# Altium PCB QCopterRC__Pcb.PcbDoc (part 2 of 3)
Units mil, origin at the board's own origin, x right, y up, seen from the top; angles counter-clockwise.
Board outline 6102.36 x 2362.2 mil, 2 copper layers (Top Layer, Bottom Layer); 121 components, 126 nets, 538 pads, 183 vias.
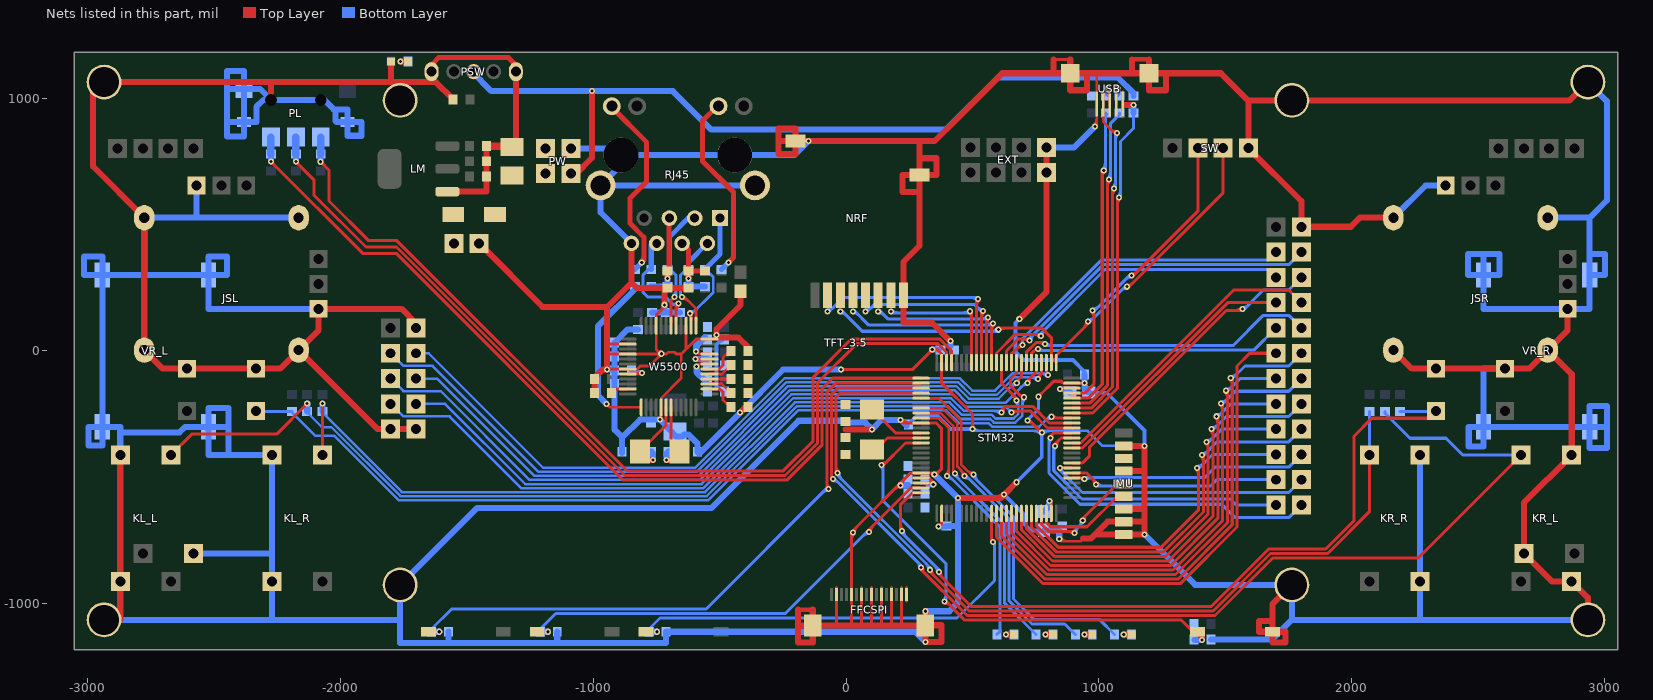
[diagram p2: the nets of this part, all layers, seen from the top]

## Via types
v1: diameter 24, hole 12, Top Layer to Bottom Layer, 183 vias

## Nets (pads, with @x,y where several pads share a name; then routed paths per layer and width w, separated by ;. In a path a pad name is that pad's centre, name@x,y a point inside that pad or via, vN(x,y) a via of type N, cw(c..) or ccw(c..) an arc to the next point about the centre after c; other vN are vias at no path point) (continued)
GND: C1.2 C2.1 C3.1 C4.2 C5.1 C6.2 C7.2 C8.2 C9.2 C10.2 C11.1 C12.1 C13.1 C14.1 C15.1 C16.1 C17.1 C18.1 C19.2 C20.1 C21.1 C22.1 C23.1 C24.1 C25.1 C26.1 C27.1 C28.2 C29.2 C30.2 C31.1 C32.1 C33.1 D2.2 EXT.7 EXT.8 FFCSPI.0 FFCSPI.2 FFCSPI.5 FFCSPI.7 FFCSPI.9 FFCSPI.11 FFCSPI.13 FFCSPI.15 IMU.2 IMU.4 JSL.0 JSL.1 JSL.6 JSL.8 JSL.10 JSR.0 JSR.1 JSR.6 JSR.8 JSR.10 KL_L.2 KL_L.4 KL_R.2 KL_R.4 KR_L.1 KR_L.3 KR_R.1 KR_R.3 LM.1 NRF.8 PL.0 PL.4 Power.2 PSW.0 PW.2 PW.4 R3.2 R18.2 R19.2 R20.2 R26.2 R27.1 R28.1 R30.1 R31.2 R32.1 R33.1 R35.2 R43.2 R46.2 RJ45.0 RJ45.8 RJ45.13 RJ45.14 RST.2 SC1.0 SC2.0 SC3.0 SC4.0 STM32.10 STM32.20 STM32.27 STM32.74 STM32.99 SW.4 TFT_3.5.2 TFT_3.5.26 TFT_3.5.33 TFT_3.5.34 USB. USB.5 VR_L.0 VR_L.5 VR_R.0 VR_R.6 W5500.3 W5500.9 W5500.14 W5500.16 W5500.19 W5500.29 W5500.48 | length 55898.8
  Top Layer w10: v1@840.88,-746.12 ccw(c855.07,-731.93) 855.07,-752 ; v1(843,-744) 851,-752 928,-752 938,-742 ; v1@847.95,-739.05 ccw(c879.21,-707.79) 879.21,-752 ; v1@979.05,891.95 ccw(c950.64,920.36) 990.82,920.36 ; v1@990.82,887 USB.5@990.82,976 990.82,1097.84
  Top Layer w11: -944.73,-12.2 W5500.16@-862.68,-12.2 v1@-729.06,-12.2 ; -944.73,27.17 W5500.14@-862.68,27.17 ; v1@-943.57,-71.26 W5500.19@-862.68,-71.26 -826.11,-71.26 ; v1@-940.14,-77.01 cw(c-926.25,-90.9) -926.25,-71.26 ; v1@-940.14,-67.82 ccw(c-931.83,-59.52) -931.83,-71.26 ; -825.11,-71.26 -813.27,-59.42 -776.27,-59.42 v1@-729.06,-12.2 ; W5500.9@-750.48,96.42 -750.48,5.64 v1@-729.06,-15.79 ; W5500.9@-750.48,100 -750.48,141.37 v1@-714.27,177.58 ; -748.89,-12.2 ccw(c-748.89,7.63) v1@-734.86,-6.4 ; -747.48,2.64 ccw(c-730.27,19.85) v1@-730.27,-4.49 ; -743.08,-26.23 ccw(c-758.31,-10.99) v1@-736.77,-10.99 ; -743.03,-12.2 cw(c-743.03,-23.76) v1@-734.86,-15.59 ; v1@-739.86,-266.82 ccw(c-761.76,-244.93) W5500.29@-730.8,-244.93 ; -735.73,156.12 ccw(c-762.19,182.58) v1@-724.77,182.58 ; v1@-730.8,-266.94 W5500.29@-730.8,-222.83 -730.8,-187.15 -651.27,-107.62 -651.27,-12.42 ; v1@-725.67,-15.59 cw(c-717.5,-23.76) -717.5,-12.2 ; v1@-725.67,-6.4 ccw(c-711.65,7.63) -711.65,-12.2 ; -632.37,6.48 W5500.3@-632.37,100 ; v1@-517.77,62.58 cw(c-533.46,62.58) -522.36,51.49 cw(c-511.27,40.39) v1@-511.27,56.08 ; v1(-511.27,62.58) -527,46.85 W5500.48@-539.85,46.85 -592,46.85 -651.27,-12.42 ; v1@-729.06,-12.2 -709.66,-12.2 -702.46,-5 -678.08,-5 -670.87,-12.2 -651.48,-12.2 -651.27,-12.42
  Top Layer w12: -36.95,-1085 -36.95,-935 ; v1(-20,-74) 262,-74 v1(341,5) 361.87,5 378.46,-11.59 STM32.99@378.46,-45.77 378.46,-127.46 500,-249 v1(500,-309) ; v1@-15.76,-78.24 cw(c-5.51,-88.49) -5.51,-74 cw(c-5.51,-59.51) v1@-15.76,-69.76 ; 22.1,-1085 22.1,-715.9 256.2,-481.8 STM32.20@296.77,-481.8 v1@348.8,-481.8 ; 22.1,-746.72 cw(c56.72,-746.72) v1@32.24,-722.24 ; v1@34,-718 cw(c67.8,-718) 43.9,-694.1 ; 61.47,-1085 61.47,-935 ; 100.84,-1085 100.84,-935 ; 140.21,-1085 140.21,-935 ; 179.58,-1085 179.58,-935 ; 191.1,-546.9 cw(c215,-570.8) v1@215,-537 ; v1@211.7,-277.19 ccw(c230.43,-258.46) 230.43,-284.94 ; v1@215.94,-278.94 cw(c215.94,-293.43) 226.19,-283.19 cw(c236.43,-272.94) v1@221.94,-272.94 ; v1(215.94,-272.94) 227.94,-284.94 STM32.10@296.77,-284.94 356.94,-284.94 377,-305 377,-467.84 v1@353,-491.84 ; 218.95,-1085 218.95,-935 ; v1@220.19,-268.7 ccw(c259.4,-229.49) 259.4,-284.94 ; v1@221,-531 cw(c254.8,-531) 230.9,-507.1 ; v1@335,5 cw(c320.51,5) 330.76,-5.24 cw(c341,-15.49) v1@341,-1 ; v1@345.24,0.76 cw(c355.49,-9.49) 355.49,5 cw(c355.49,19.49) v1@345.24,9.24 ; v1@349,-482 ccw(c349,-448.59) 372.62,-472.21 ; v1(366,-694) 378.46,-681.54 STM32.27@378.46,-642.23 ; v1@366,-688 ccw(c366,-673.51) 376.24,-683.76 ccw(c386.49,-694) v1@372,-694 ; v1@495.76,-304.76 ccw(c485.51,-294.51) 500,-294.51 ccw(c514.49,-294.51) v1@504.24,-304.76 ; v1@717,-281 cw(c717,-317.21) 742.61,-291.61 ; v1(717,-275) 726,-275 v1(774,-323) ; v1@761,-180 821.24,-119.76 851.34,-119.76 859.05,-127.46 STM32.74@893.23,-127.46 v1@943,-127.46 ; v1@761,-175 ccw(c761,-162.93) 769.54,-171.46 ; v1@767,-181 cw(c783.9,-181) 771.95,-169.05 ; v1@768,-323 ccw(c753.51,-323) 763.76,-312.76 ccw(c774,-302.51) v1@774,-317 ; 819.49,1153 886.49,1153 ; STM32.74@927.39,-127.46 ccw(c927.39,-111.39) v1@938.76,-122.76 ; 929.64,-127.46 cw(c929.64,-140.36) v1@938.76,-131.24
  Top Layer w18: -190,-1022.83 -131.44,-1022.83 ; 1130.51,1153 1197.51,1153
  Top Layer w20: PSW.0@-1638.16,1131.84 -1610,1160 -1335,1160 PSW.0@-1305.32,1130.32
  Top Layer w24: SC3.0@-2933.07,-1062.99 -2869.06,-1062.99 KL_L.4@-2869.06,-911.56 KL_L.2@-2869.06,-411.56 ; PL.0@-2273.42,992.87 -2273.42,1062.99 ; -1798.46,1063.53 D2.2@-1798.46,1145 ; TFT_3.5.2@-1762.68,990.94 -1762.68,1062.99 ; TFT_3.5.34@-1700,-309.05 -1851.71,-309.05 JSL.0@-2163.94,3.19 ; TFT_3.5.26@-1700,90.95 -1700,110 -1756.57,166.57 JSL.1@-2085.2,166.57 -2085.2,81.93 JSL.0@-2163.94,3.19 ; PSW.0@-1638.16,1131.84 PSW.0@-1638.16,1104.13 -1638.16,1062.99 ; LM.1@-1575.83,629.84 -1421.54,629.84 C2.1@-1421.54,690 C1.2@-1421.54,810 C1.2@-1418.62,807.09 ; C5.1@-1553.46,995 -1621.46,1062.99 -1638.16,1062.99 ; Power.2@-1450,425 -1198.73,173.73 -944.73,173.73 ; C4.2@-1320,807.09 -1305.32,821.76 PSW.0@-1305.32,1104.13 PSW.0@-1305.32,1130.32 ; R46.2@-994.73,-166.42 C31.1@-994.73,-111.42 -994.73,-105.73 -961.42,-72.42 v1(-944.73,-72.42) ; -973.22,-84.22 cw(c-944.73,-112.7) v1(-944.73,-72.42) ; RJ45.8@-848.11,425.35 -848.11,270.35 ; v1(-718.27,182.58) C24.1@-718.27,247.58 ; C20.1@-640,249.54 C24.1@-705,249.54 -827.29,249.54 -848.11,270.35 ; v1@-512,53 -424.95,53 -387.8,15.85 R33.1@-387.8,-0.63 ; -488.13,53 cw(c-488.13,85.72) v1(-511.27,62.58) -511.27,86.73 -417,181 C19.2@-417,236.6 ; v1(-418.5,-243.5) R27.1@-391.72,-216.72 ; -267,830 NRF.8@-200,830 ; -190,-1022.83 -190,-1084.98 ; -131.44,-1022.83 FFCSPI.0@-131.44,-1084.98 ; -2,-310 v1(103,-310) ; 290,628 223,628 223,695 NRF.8@290,695 ; 290,762 357,762 357,695 NRF.8@290,695 ; FFCSPI.0@313.44,-1084.98 FFCSPI.0@-131.44,-1084.98 ; v1(314,-1029) FFCSPI.0@314,-1084.42 ; v1(413,39) 340,112 227.4,112 NRF.8@227.4,219.84 227.4,352.4 290,415 NRF.8@290,695 ; v1(442,-582) 611,-582 v1(625,-568) ; 591.2,-582 ccw(c591.2,-534.2) v1(625,-568) ; v1(674,-519) v1(625,-568) ; v1(685,126) 793,234 EXT.8@793,805 ; 819.49,1097.84 819.49,1153 ; 886.49,1153 USB.@886.49,1097.84 ; 938,-742 967,-742 1034,-675 IMU.2@1098,-675 1180,-675 ; 953.49,1097.84 953.49,1030.84 886.49,1030.84 USB.@886.49,1097.84 ; 984,-725 IMU.2@1098,-725 v1(1180,-725) v1(1180,-375) IMU.2@1098,-375 ; IMU.2@1098,-625 1180,-625 ; IMU.4@1098,-475 1180,-475 ; 1130.51,1097.84 1130.51,1153 ; 1197.51,1153 USB.@1197.51,1097.84 ; 1264.51,1097.84 1264.51,1030.84 1197.51,1030.84 USB.@1197.51,1097.84 ; 1685.64,-1067 1633,-1067 1633,-1110 RST.2@1685.64,-1110 ; TFT_3.5.2@1762.68,-924.94 1685.64,-1001.98 RST.2@1685.64,-1110 ; JSR.0@2163.94,3.19 2236.94,-69.8 JSR.8@2332.49,-69.8 JSR.10@2605.64,-69.8 2701.19,-69.8 JSR.0@2774.18,3.19 ; JSR.0@2163.94,526.81 2031.81,526.81 1995.95,490.95 TFT_3.5.2@1800,490.95 1800,593 SW.4@1591,802 1591,990.94 ; JSR.1@2852.92,166.57 2852.92,81.93 JSR.0@2774.18,3.19 ; SC2.0@2933.07,-1062.99 2933.07,-975.57 KR_L.3@2869.06,-911.56 2791.56,-911.56 VR_R.6@2680,-800 2680,-600.62 KR_L.1@2869.06,-411.56 2869.06,-91.69 JSR.0@2774.18,3.19 ; SC1.0@2933.07,1062.99 2861.02,990.94 1591,990.94 ; -2273.42,1062.99 SC4.0@-2933.07,1062.99 -2977,1019.06 -2977,729.63 JSL.0@-2774.18,526.81 JSL.0@-2774.18,3.19 -2701.19,-69.8 JSL.8@-2605.64,-69.8 JSL.10@-2332.49,-69.8 -2236.94,-69.8 JSL.0@-2163.94,3.19 ; -2273.42,1062.99 -1762.68,1062.99 ; -1762.68,1062.99 -1638.16,1062.99 ; v1(-944.73,-72.42) -944.73,-12.2 -944.73,173.73 ; -944.73,173.73 -848.11,270.35 ; NRF.8@-200,830 290,830 ; NRF.8@-200,830 -200,880 -267,880 -267,779 -200,779 NRF.8@-200,830 ; -190,-1084.98 FFCSPI.0@-131.44,-1084.98 ; -190,-1084.98 -190,-1153 -131.44,-1153 FFCSPI.0@-131.44,-1084.98 ; NRF.8@290,695 290,830 ; 290,830 350,830 617.84,1097.84 USB.@886.49,1097.84 ; FFCSPI.0@314,-1084.42 377,-1084.42 377,-1150.15 v1(314,-1150.15) FFCSPI.0@314,-1084.42 ; USB.@886.49,1097.84 990.82,1097.84 USB.@1197.51,1097.84 ; USB.@1197.51,1097.84 1482.16,1097.84 1589.06,990.94 1591,990.94 ; RST.2@1685.64,-1110 1685.64,-1153 1738,-1153 1738,-1110 RST.2@1685.64,-1110
  Top Layer w30: C1.2@-1421.54,810 -1330.16,810 C4.2@-1326.54,813.62
  Bottom Layer w10: v1@500,-316 955,-316 1014,-375 v1(1180,-375) ; v1@504.95,-304.05 ccw(c533.8,-275.2) 533.8,-316 ; 740.2,-316 cw(c740.2,-356.8) v1@769.05,-327.95 ; v1@778.95,-327.95 cw(c807.8,-356.8) 807.8,-316 ; v1@1175.05,-379.95 ccw(c1163.1,-391.9) 1163.1,-375 ccw(c1163.1,-358.1) v1@1175.05,-370.05
  Bottom Layer w12: v1@717,-274 761,-230 v1(761,-181) ; v1@717,-269 ccw(c717,-256.93) 725.54,-265.46 ; v1@723,-275 cw(c739.9,-275) 727.95,-263.05 ; v1@756.76,-185.24 cw(c746.51,-195.49) 761,-195.49 cw(c775.49,-195.49) v1@765.24,-185.24
  Bottom Layer w15: R35.2@-491.51,-159.18 -512.02,-138.67 -512.02,24.31 -492.51,43.82 -486.28,50.06 R26.2@-483.28,53.06 ; C12.1@246.31,-290.63 281.99,-254.94 359.94,-254.94 414,-309 v1(500,-309) ; v1(625,-568) 708,-651 708,-687 730.4,-709.4 C8.2@782.85,-709.4 ; v1(674,-519) 774,-419 v1(774,-323) ; v1(685,126) 670,111 670,-4 702,-36 897,-36 943.46,-82.46 C16.1@943.46,-93 ; C9.2@960.4,-165 1031,-165 1180,-314 v1(1180,-375)
  Bottom Layer w24: SC3.0@-2933.07,-1062.99 -2269.06,-1062.99 ; KL_L.2@-2869.06,-411.56 -2869.06,-300 VR_L.0@-2940,-300 ; -2869.06,-322 -2635,-322 -2613,-300 VR_L.0@-2520,-300 ; VR_L.5@-2580,-800 -2269.06,-800 KL_R.4@-2269.06,-911.56 ; JSL.6@-2567.49,653.86 -2567.49,526.81 ; -2442,-411 -2442,-300 ; JSL.0@-2163.94,526.81 -2567.49,526.81 ; JSL.1@-2085.2,166.57 -2520,166.57 VR_L.0@-2520,300 ; -2025,955 -2062.87,992.87 PL.0@-2076.57,992.87 PL.0@-2273.42,992.87 ; -1762.68,-1062.99 -2269.06,-1062.99 ; -1571.54,-1154 R18.2@-1571.54,-1110 ; R19.2@-1141.54,-1110 -1141.54,-1155 ; PW.4@-1088,801 -916.2,801 RJ45.0@-890,774.8 ; v1(-944.73,-72.42) C33.1@-914.73,-72.42 ; C25.1@-884.73,-403.42 -884.73,-341.88 ; RJ45.8@-848.11,425.35 -970.12,547.36 RJ45.13@-970.12,654.72 ; R43.2@-822.27,85.12 -863.2,85.12 C29.2@-914.73,33.58 C33.1@-914.73,-76.42 C32.1@-914.73,-131.42 -914.73,-311.88 -884.73,-341.88 ; C26.1@-766.27,152.05 C21.1@-656.27,152.05 ; C23.1@-718.27,159.05 v1(-718.27,182.58) ; v1(-511.27,62.58) R26.2@-493.27,44.58 ; RJ45.14@-359.88,654.72 RJ45.13@-970.12,654.72 ; v1(-148,830) -203.2,774.8 RJ45.0@-440,774.8 RJ45.0@-890,774.8 ; v1(-20,-74) -249,-74 v1(-418.5,-243.5) -580.61,-405.61 C22.1@-587.8,-398.42 -587.8,-365.41 -622.22,-331 -640.21,-331 -647.72,-338.5 -671.27,-338.5 v1(-735.27,-271.42) -814.27,-271.42 -884.73,-341.88 ; v1(215,-531) 246,-531 ; C12.1@239.5,-296.5 v1(215.94,-272.94) 140.06,-272.94 v1(103,-310) 76,-283 -7,-283 -14,-276 -187,-276 -531,-620 -1457.74,-620 TFT_3.5.2@-1762.68,-924.94 -1762.68,-1155 -1141.54,-1155 ; v1(314,-1150.15) 273.85,-1110 R20.2@-711.54,-1110 -711.54,-1155 -1141.54,-1155 ; v1(314,-1029) 409,-1029 442,-996 v1(442,-582) 442,-581 v1(349,-488) ; v1(341,5) C11.1@368.46,5 ; v1(366,-694) C14.1@396.84,-694 ; C14.1@398.15,-692.69 442,-692.69 ; R3.2@413,19.46 v1(413,39) ; C8.2@782.85,-709.4 843,-709.4 v1(843,-744) ; EXT.8@795,805 902,805 v1(984,887) ; v1(943,-127) ccw(c992.73,-127) C9.2@957.57,-162.16 ; C16.1@943,-93 943,-147.6 C9.2@960.4,-165 ; v1(1180,-725) 1379.94,-924.94 TFT_3.5.2@1762.68,-924.94 1762.68,-1062.99 ; C10.2@1443.46,-1140 1685.67,-1140 1762.68,-1062.99 ; SW.4@1591,802 SW.4@1608,802 ; JSR.0@2163.94,526.81 2290.99,653.86 JSR.6@2370.64,653.86 ; KR_R.1@2269.06,-411.56 2269.06,-1062.99 ; JSR.10@2605.64,-69.8 2520,-69.8 VR_R.0@2520,-300 ; JSR.0@2774.18,526.81 2940,526.81 ; SC2.0@2933.07,-1062.99 2269.06,-1062.99 ; SC1.0@2933.07,1062.99 3008,988.06 3008,594.81 2940,526.81 ; 2940,383 3001,383 3001,300 VR_R.0@2940,300 ; 3008,-300 VR_R.0@2940,-300 ; VR_L.0@-2940,-300 VR_L.0@-2940,300 ; VR_L.0@-2940,-300 -2994.28,-300 -2994.28,-373 -2940,-373 VR_L.0@-2940,-300 ; VR_L.0@-2940,300 -2774.18,300 JSL.0@-2774.18,526.81 -2567.49,526.81 ; VR_L.0@-2940,300 VR_L.0@-2520,300 ; VR_L.0@-2940,300 -2940,373 -3013,373 -3013,300 VR_L.0@-2940,300 ; VR_L.0@-2520,-300 -2520,-411.56 KL_R.2@-2269.06,-411.56 KL_R.4@-2269.06,-911.56 ; VR_L.0@-2520,-300 -2442,-300 ; VR_L.0@-2520,-300 -2520,-225 -2442,-225 -2442,-300 ; VR_L.0@-2520,300 -2447,300 -2447,373 -2520,373 VR_L.0@-2520,300 ; -2447,905 PL.0@-2379.72,905 ; -2447,905 -2447,1036.18 ; -2447,905 -2447,848 -2379.72,848 PL.0@-2379.72,905 ; -2447,1036.18 PL.4@-2379.72,1036.18 ; -2447,1036.18 -2447,1106 -2379.72,1106 PL.4@-2379.72,1036.18 ; PL.0@-2379.72,905 -2379.72,965 PL.4@-2379.72,1036.18 ; PL.0@-2379.72,905 -2331,905 -2331,964.8 -2302.93,992.87 PL.0@-2273.42,992.87 ; PL.4@-2379.72,1036.18 -2316.73,1036.18 PL.0@-2273.42,992.87 ; -2269.06,-1062.99 KL_R.4@-2269.06,-911.56 ; PL.0@-1970.28,905 -1970.28,955 -2018.96,955 -2018.96,909.96 -2014,905 PL.0@-1970.28,905 ; PL.0@-1970.28,905 -1916,905 -1916,850.72 -1970.28,850.72 PL.0@-1970.28,905 ; RJ45.13@-970.12,654.72 -890,734.84 RJ45.0@-890,774.8 ; 1762.68,-1062.99 2269.06,-1062.99 ; VR_R.0@2520,-300 VR_R.0@2940,-300 ; VR_R.0@2520,-300 2462,-300 2462,-377 2520,-377 VR_R.0@2520,-300 ; VR_R.0@2520,300 2520,166.57 JSR.1@2852.92,166.57 2940,166.57 VR_R.0@2940,300 ; VR_R.0@2520,300 2520,383 ; VR_R.0@2520,300 2459,300 2459,383 2520,383 ; VR_R.0@2520,300 2583,300 2583,383 2520,383 ; VR_R.0@2940,-300 2940,-217 3008,-217 3008,-383 2940,-383 VR_R.0@2940,-300 ; VR_R.0@2940,300 2940,526.81
  other v1: 28,-718 -730.27,-10.99
IMU_SCL: IMU.5 STM32.47 | length 576.5
  Top Layer w12: STM32.47@772.17,-642.23 772.17,-684.06 801.1,-713 v1@903,-713 ; 874.03,-713 cw(c874.03,-747.97) v1@898.76,-723.24 ; v1@931.31,-666.69 1073,-525 IMU.5@1098,-525 ; v1@942,-670 cw(c975.8,-670) 951.9,-646.1
  Bottom Layer w12: v1@898,-716 v1@940,-674 ; v1@909,-719 cw(c942.8,-719) 918.9,-695.1 ; 920.1,-693.9 ccw(c896.2,-670) v1@930,-670
  other v1: 903,-719 936,-670
IMU_SDA: IMU.6 STM32.48 | length 398.8
  Top Layer w12: STM32.48@791.85,-642.23 791.85,-678.29 808.56,-695 953,-695 1073,-575 IMU.6@1098,-575
KEY_LL: KL_L.1 R15.2 STM32.84 | length 4127.4
  Top Layer w12: KL_L.1@-2669.06,-411.56 -2586.5,-329 -2251,-329 v1(-2130,-208) ; v1@-2136,-208 cw(c-2150.49,-208) -2140.24,-218.24 cw(c-2130,-228.49) v1@-2130,-214 ; STM32.84@673.74,-45.77 673.74,-87.26 650,-111 650,-137 v1@700,-187 ; 680.1,-167.1 ccw(c704,-143.2) v1@704,-177
  Bottom Layer w10: R15.2@-2130,-243.46 -2072.46,-301 -2035.09,-301 -1762.09,-574 -550.63,-574 -195.63,-219 402.63,-219 452.63,-269 570.37,-269 584.37,-283 669.15,-283 697.31,-254.84 v1@697.31,-183 ; 697.31,-216.04 cw(c737.04,-216.04) v1@708.95,-187.95
  Bottom Layer w24: R15.2@-2130,-238.46 v1(-2130,-208)
  other v1: 704,-183
KEY_LP: JSL.9 R12.2 STM32.67 | length 3626.3
  Top Layer w12: v1@812.26,-265.26 STM32.67@893.23,-265.26 ; v1@817.24,-255.76 ccw(c840.18,-232.82) 840.18,-265.26
  Bottom Layer w10: R12.2@-2190,-243.46 -2098.46,-335 -2023.72,-335 -1768.72,-590 -544,-590 -189,-235 396,-235 446,-285 563.75,-285 577.75,-299 764,-299 v1@808,-255 ; 783.98,-279.02 cw(c813,-308.04) v1@813,-267 ; 801.05,-261.95 cw(c813,-273.9) v1@813,-257
  Bottom Layer w12: JSL.9@-2330.99,-238.46 R12.2@-2190,-238.46
  other v1: 813,-260
KEY_LR: KL_R.1 R14.2 STM32.87 | length 3602.7
  Top Layer w12: v1@-2074.24,-212.24 cw(c-2084.48,-222.49) -2070,-222.49 cw(c-2055.51,-222.49) v1@-2065.76,-212.24 ; KL_R.1@-2070,-411.56 v1(-2070,-208) ; STM32.87@614.69,-45.77 614.69,-127.89 v1@678,-191.21 ; 658.25,-171.46 cw(c634.7,-195) v1@668,-195
  Bottom Layer w10: R14.2@-2070,-243.46 -1755.46,-558 -557.25,-558 -202.25,-203 409.25,-203 459.25,-253 577,-253 591,-267 662.53,-267 681,-248.53 v1@681,-195 ; v1@669.05,-199.95 cw(c640.2,-228.8) 681,-228.8
  Bottom Layer w24: R14.2@-2070,-238.46 v1(-2070,-208)
  other v1: 674,-195
KEY_PL: PL.3 R9.2 STM32.1 | length 3508.9
  Top Layer w12: v1@-2273.42,742.46 cw(c-2273.42,727.98) -2263.18,738.22 cw(c-2252.94,748.46) v1@-2267.42,748.46 ; v1(-2273.42,748.46) -1910.96,386 -1778,386 -881.23,-510.77 -233.77,-510.77 -94,-371 -94,-148 -53.78,-107.78 STM32.1@296.77,-107.78
  Bottom Layer w24: v1(-2273.42,748.46) R9.2@-2273.42,778.46
  Bottom Layer w30: R9.2@-2273.42,778.46 PL.3@-2273.42,845.24
KEY_PP: PL.2 R10.2 STM32.98 | length 3652.1
  Top Layer w12: v1@-2175,742.46 cw(c-2175,727.98) -2164.76,738.22 cw(c-2154.51,748.46) v1@-2169,748.46 ; v1(-2175,748.46) -2104,677.46 -2104,617 -1898,411 -1777,411 -873.62,-492.38 -240.84,-492.38 -112,-363.54 -112,-125 42,29 363.33,29 398.15,-5.82 STM32.98@398.15,-45.77
  Bottom Layer w24: v1(-2175,748.46) R10.2@-2175,778.46
  Bottom Layer w30: R10.2@-2175,778.46 PL.2@-2175,845.24
KEY_PR: PL.1 R11.2 STM32.97 | length 3620.7
  Top Layer w12: v1@-2077,742 cw(c-2077,727.51) -2066.76,737.76 cw(c-2056.51,748) v1@-2071,748 ; v1(-2077,748) -2044,715 -2044,593 -1887,436 -1776,436 -866,-474 -247.91,-474 -130,-356.09 -130,-104 21,47 370.78,47 417.83,-0.05 STM32.97@417.83,-45.77
  Bottom Layer w24: v1(-2077,748) R11.2@-2077,778
  Bottom Layer w30: R11.2@-2076.57,778.46 PL.1@-2076.57,845.24
KEY_RL: KR_L.2 R16.2 STM32.3 | length 4608.8
  Top Layer w12: v1@-58,-508 -58,-173 -32.15,-147.15 STM32.3@296.77,-147.15 ; v1@292,-859 479,-1046 1459,-1046 1686,-819 2261.62,-819 KR_L.2@2669.06,-411.56 ; v1@303,-856 ccw(c336.8,-856) 312.9,-879.9
  Bottom Layer w12: v1@-52,-513 cw(c-52,-547.9) -27.32,-523.22 ; v1@-48.02,-502.52 v1@302,-852.54 ; 280.78,-831.32 cw(c256.1,-856) v1@291,-856 ; R16.2@2130,-238.46 2130,-245 2230,-345 2372,-345 2438.56,-411.56 KR_L.2@2669.06,-411.56
  other v1: 297,-856 -52,-507
KEY_RP: JSR.7 R13.2 STM32.24 | length 3215.4
  Top Layer w12: v1@215,-711 215,-608.13 262.59,-560.54 STM32.24@296.77,-560.54 ; 215,-682.03 ccw(c249.97,-682.03) v1@225.24,-706.76 ; v1@362,-877 495,-1010 1444.09,-1010 1671.09,-783 1896.54,-783 2009,-670.54 2009,-336 2079,-266 2303.46,-266 JSR.7@2332.49,-236.97 ; v1@373,-874 ccw(c406.8,-874) 382.9,-897.9
  Bottom Layer w12: v1@217,-715 v1@371,-869 ; v1@227,-711 ccw(c260.8,-711) 236.9,-734.9 ; 350.39,-848.39 cw(c324.79,-874) v1@361,-874 ; R13.2@2190,-238.46 JSR.7@2332.49,-238.46
  other v1: 367,-874 221,-711
KEY_RR: KR_R.2 R17.2 STM32.4 | length 3646.6
  Top Layer w12: v1@-40,-482 -40,-184 -22.83,-166.83 STM32.4@296.77,-166.83 ; -40,-453.03 ccw(c-5.03,-453.03) v1@-29.76,-477.76 ; v1@328,-869 487,-1028 1451.54,-1028 1678.54,-801 1904,-801 2069.06,-635.94 KR_R.2@2069.06,-411.56 ; v1@338,-865 ccw(c371.8,-865) 347.9,-888.9
  Bottom Layer w12: v1@-38,-486 v1@336,-860 ; v1@-28,-482 ccw(c5.8,-482) -18.1,-505.9 ; 315.39,-839.39 cw(c289.79,-865) v1@326,-865 ; KR_R.2@2070,-411.56 R17.2@2070,-238.46
  other v1: 332,-865 -34,-482
KEY_S1: KS1.2 R18.1 STM32.2 | length 2660.3
  Top Layer w12: v1@-76,-545 -76,-163 -40.46,-127.46 STM32.2@296.77,-127.46 ; -76,-516.03 ccw(c-41.03,-516.03) v1@-65.76,-540.76
  Bottom Layer w12: R18.1@-1638.46,-1110 -1638.46,-1099.46 -1559,-1020 -553,-1020 v1@-74,-541 ; -93.9,-560.9 cw(c-70,-584.8) v1@-70,-551
  Bottom Layer w24: R18.1@-1638.46,-1110 v1(-1608,-1110)
  other v1: -70,-545
KEY_S2: KS2.2 R19.1 STM32.23 | length 1835.7
  Top Layer w12: v1@82.84,-714.84 256.82,-540.85 STM32.23@296.77,-540.85 ; v1@97,-715 cw(c131.59,-715) 107.13,-690.54
  Bottom Layer w12: R19.1@-1208.46,-1110 -1208.46,-1099.46 -1147,-1038 -240,-1038 v1@86,-712 ; 67.1,-730.9 cw(c91,-754.8) v1@91,-721
  Bottom Layer w24: R19.1@-1208.46,-1110 v1(-1178,-1110)
  other v1: 91,-715
KEY_S3: KS3.2 R20.1 STM32.37 | length 1751.5
  Top Layer w12: v1@575.32,-755.31 STM32.37@575.32,-642.23
  Bottom Layer w12: R20.1@-778.46,-1110 -778.46,-1099.46 -735,-1056 439,-1056 587,-908 v1@587,-755.31
  Bottom Layer w24: R20.1@-778.46,-1110 v1(-748,-1110)
  other v1: 581,-756
LCD_CS: STM32.88 TFT_3.5.5 | length 1351.2
  Top Layer w12: STM32.88@595,-45.77 595,-8 669,66 v1@770,66 ; 741.03,66 cw(c741.03,31.03) v1@765.76,55.76
  Bottom Layer w12: v1@766,64 1024,322 1668.95,322 TFT_3.5.5@1700,290.95 ; v1@776,60 cw(c809.8,60) 785.9,83.9
  other v1: 770,60
LCD_D0: STM32.61 TFT_3.5.7 | length 1044.7
  Top Layer w12: STM32.61@893.23,-383.37 934.47,-383.37 1508.79,190.95 TFT_3.5.7@1700,190.95
LCD_D1: STM32.62 TFT_3.5.8 | length 1178
  Top Layer w12: STM32.62@893.23,-363.69 928.15,-363.69 1532.84,241 1749.95,241 TFT_3.5.8@1800,190.95
LCD_D2: STM32.81 TFT_3.5.9 | length 1072.4
  Top Layer w12: STM32.81@732.8,-45.77 732.8,-11.04 v1@755.42,11.58
  Bottom Layer w12: v1@759,1 1045,1 1047,3 1612.05,3 TFT_3.5.9@1700,90.95 ; v1@763.24,11.24 ccw(c787.97,35.97) 787.97,1
  other v1: 759,7
LCD_D3: STM32.82 TFT_3.5.10 | length 1268.8
  Top Layer w12: STM32.82@713.11,-45.77 713.11,-4.89 751,33 v1@787,33 ; 758.03,33 cw(c758.03,-1.97) v1@782.76,22.76
  Bottom Layer w12: v1@787,21 1530,21 1650,141 1749.95,141 TFT_3.5.10@1800,90.95 ; v1@791.24,31.24 ccw(c815.97,55.97) 815.97,21
  other v1: 787,27
LCD_D4: STM32.38 TFT_3.5.11 | length 2025.2
  Top Layer w12: STM32.38@595,-642.23 595,-736 779,-920 1321.65,-920 1546,-695.65 1546,-59.18 1596.13,-9.05 TFT_3.5.11@1700,-9.05
LCD_D5: STM32.39 TFT_3.5.12 | length 2113.3
  Top Layer w12: STM32.39@614.69,-642.23 614.69,-730.23 786.46,-902 1312.31,-902 1527,-687.31 v1@1527,-107.18 ; v1@1516.76,-111.42 cw(c1492.03,-136.15) 1527,-136.15
  Bottom Layer w12: v1@1521,-101.18 ccw(c1521,-67.38) 1544.9,-91.28 ; v1@1524,-112.18 1577,-59.18 1749.87,-59.18 TFT_3.5.12@1800,-9.05
  other v1: 1521,-107.18
LCD_D6: STM32.40 TFT_3.5.13 | length 1898.1
  Top Layer w12: STM32.40@634.37,-642.23 634.37,-724.46 793.91,-884 1302.73,-884 1508,-678.73 v1@1508,-157.18 ; v1@1497.76,-161.42 cw(c1473.03,-186.15) 1508,-186.15
  Bottom Layer w12: v1@1502,-151.18 ccw(c1502,-117.38) 1525.9,-141.28 ; v1@1506,-161.18 1558.13,-109.05 TFT_3.5.13@1700,-109.05
  other v1: 1502,-157.18
LCD_D7: STM32.41 TFT_3.5.14 | length 1925.9
  Top Layer w12: STM32.41@654.06,-642.23 654.06,-718.69 801.37,-866 1293.28,-866 1489,-670.28 v1@1489,-207.18 ; v1@1478.76,-211.42 cw(c1454.03,-236.15) 1489,-236.15
  Bottom Layer w12: v1@1483,-201.18 ccw(c1483,-167.38) 1506.9,-191.28 ; v1@1487,-211.18 1539,-159.18 1749.87,-159.18 TFT_3.5.14@1800,-109.05
  other v1: 1483,-207.18
LCD_D8: STM32.42 TFT_3.5.15 | length 1711.7
  Top Layer w12: STM32.42@673.74,-642.23 673.74,-712.92 808.82,-848 1283.82,-848 1470,-661.82 v1@1470,-258.18 ; v1@1459.76,-262.42 cw(c1435.03,-287.15) 1470,-287.15
  Bottom Layer w12: v1@1464,-252.18 ccw(c1464,-218.38) 1487.9,-242.28 ; v1@1468,-262.18 1521.13,-209.05 TFT_3.5.15@1700,-209.05
  other v1: 1464,-258.18
LCD_D9: STM32.43 TFT_3.5.16 | length 1740.3
  Top Layer w12: STM32.43@693.43,-642.23 693.43,-707.15 816.28,-830 1274.37,-830 1451,-653.37 v1@1451,-309.18 ; v1@1440.76,-313.42 cw(c1416.03,-338.15) 1451,-338.15
  Bottom Layer w12: v1@1445,-303.18 ccw(c1445,-269.38) 1468.9,-293.28 ; v1@1448,-314.18 1503,-259.18 1749.87,-259.18 TFT_3.5.16@1800,-209.05